# Allegro board TDI_KU5P_QSFP28_CXP_V001-20240805_1841.brd (continued)
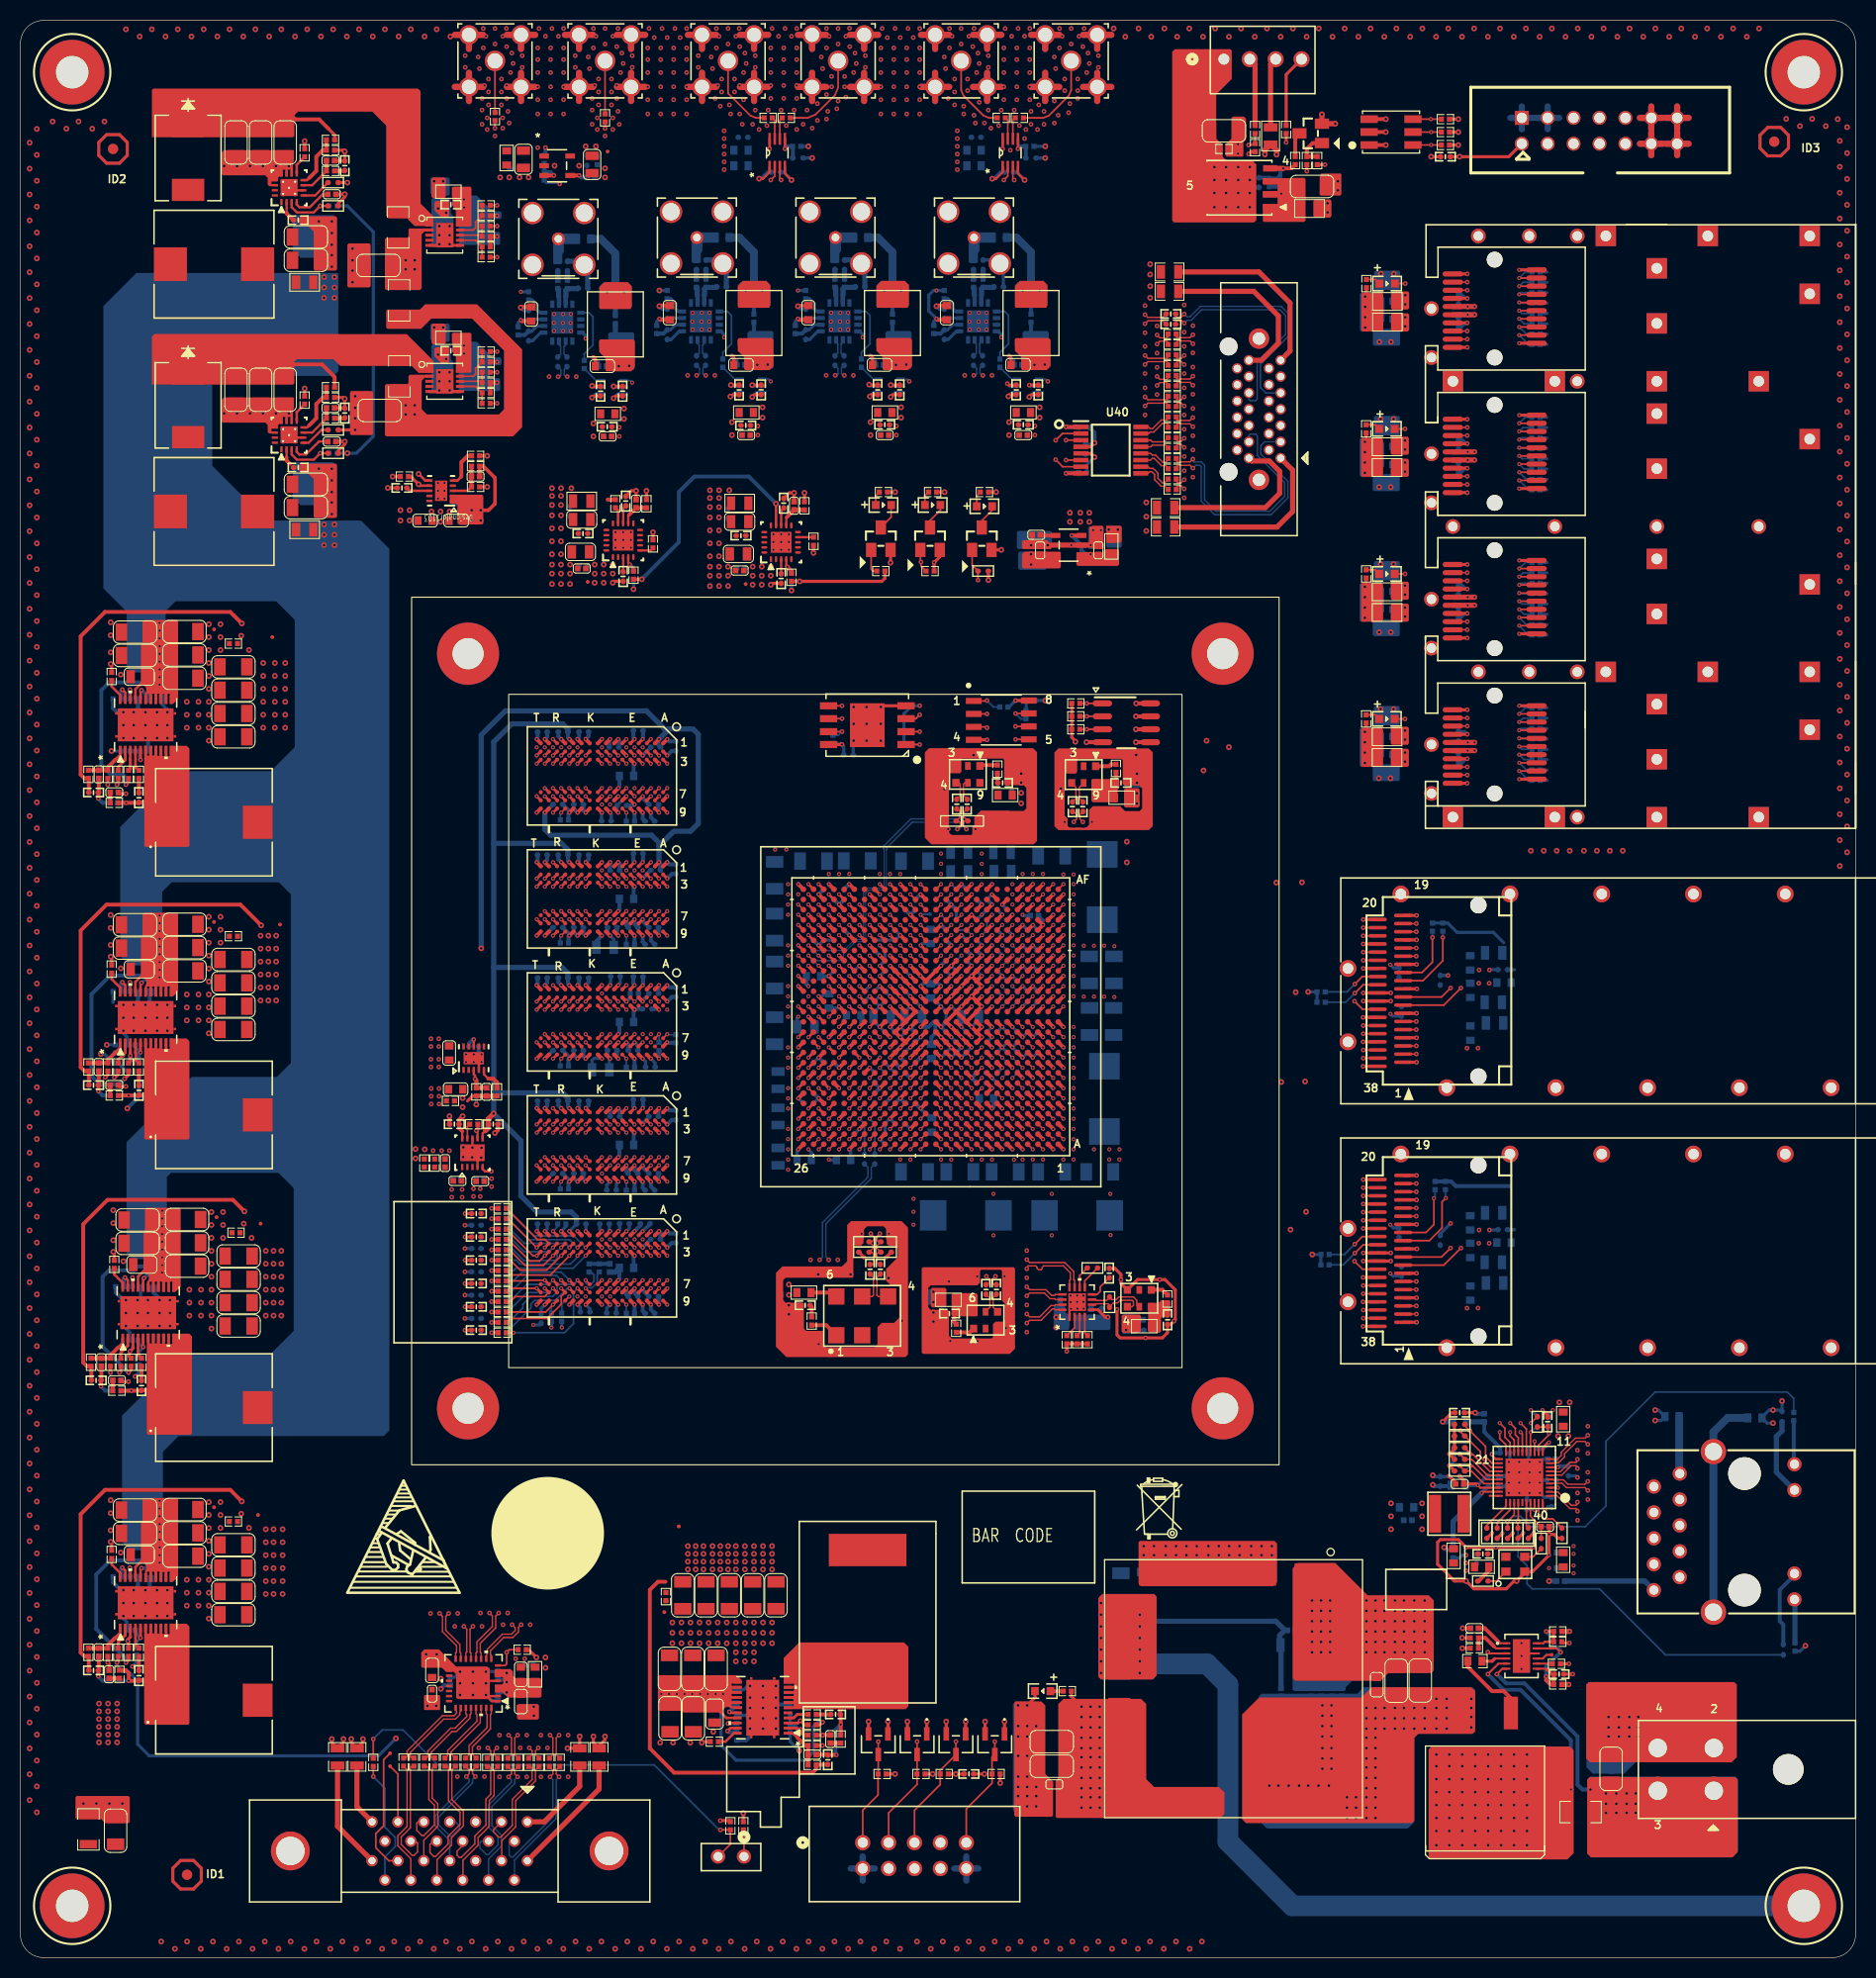
[diagram p0: board, top side]
## Placement (name value [footprint] x y rotation side) (continued)
R303  78.7K  [R0402]  27.88 177.01 270 top
R304  0R  [R0402]  45.68 166.78 0 top
R305  0R  [R0402_BGA]  30.67 174.09 0 top
R306  10K  [R0402]  30.42 177.27 180 top
R307  2.55K  [R0402]  30.42 175.23 180 top
R308  5mR  [R1206]  37.15 162.53 90 top
R309  5mR  [R1206]  37.18 155.09 90 top
R310  187K  [R0402]  30.42 154.03 0 top
R311  4K7  [R0402]  45.68 153.46 180 top
R312  4K7  [R0402]  45.68 154.47 180 top
R313  4K7  [R0402]  45.68 156.5 180 top
R314  0R  [R0402]  45.68 157.52 0 top
R315  0R  [R0402]  30.67 147.55 0 bottom
R316  0R  [R0402]  45.68 155.49 0 top
R317  0R  [R0402]  45.68 152.44 0 top
R318  1K  [R0402_BGA]  30.67 147.55 180 top
R319  78.7K  [R0402]  27.88 152.76 270 top
R320  0R  [R0402_BGA]  30.67 149.83 0 top
R321  10K  [R0402]  30.42 153.01 180 top
R322  2.55K  [R0402]  30.42 150.98 180 top
R323  4K7  [R0402]  91.79 61.72 270 top
R324  4K7  [R0402]  95.82 116.56 90 top
R325  4K7  [R0402]  107.46 116.64 90 top
R326  4K7  [R0402]  112.51 64.59 90 top
R327  1K  [R0402]  102.63 60.6 90 top
R328  1K  [R0402]  103.65 60.6 90 top
R329  1K  [R0402]  104.66 60.6 90 top
R330  100R  [R0402_BGA]  106.82 64.29 90 top
R331  100R  [R0402_BGA]  105.15 67.64 0 top
R332  4K7  [R0402]  77.61 62.43 270 top
R333  4K7  [R0402_BGA]  104.33 150.09 0 bottom
R334  0R_DNP  [R0805]  112.33 140.31 0 top
R335  0R  [R0402]  112.97 150.09 180 top
R336  0R  [R0402]  112.97 149.07 180 top
R337  0R  [R0805]  112.33 142.21 0 top
R338  0R  [R0402]  112.97 151.1 180 top
R339  1K  [R0402]  104.21 145.64 0 bottom
R340  0R  [R0402]  112.97 153.14 0 top
R341  0R  [R0402]  112.97 152.12 0 top
R342  0R  [R0402]  112.97 148.06 180 top
R343  0R  [R0402]  112.97 155.17 0 top
R344  0R  [R0402]  112.97 154.15 0 top
R345  0R  [R0402]  112.97 146.02 180 top
R346  0R  [R0402]  112.97 147.04 180 top
R347  0R  [R0402]  112.97 157.2 0 top
R348  0R  [R0402]  112.97 156.18 0 top
R349  0R  [R0402]  112.97 145.01 180 top
R350  0R  [R0402]  112.97 143.99 180 top
R351  0R  [R0402]  112.97 159.23 0 top
R352  0R  [R0402]  112.97 158.22 0 top
R353  0R  [R0805]  112.72 165.33 0 top
R354  0R_DNP  [R0805]  112.72 163.42 0 top
R355  0R  [R0402]  96.21 180.44 180 top
R356  4K7  [R0402_BGA]  99.13 176.5 180 bottom
R357  0R  [R0402]  57.34 180.44 90 top
R358  1K  [R0402]  99 177.65 0 bottom
R359  0R  [R0402]  97.98 180.44 0 top
R360  0R  [R0402]  46.55 180.57 90 top
R361  0R  [R0402]  73.35 180.44 180 top
R362  4K7  [R0402_BGA]  76.27 176.5 180 bottom
R363  1K  [R0402]  76.14 177.65 0 bottom
R364  0R  [R0402]  75.12 180.44 0 top
R365  0R_DNP  [R0805]  54.85 19.69 270 top
R366  0R_DNP  [R0805]  56.76 19.69 270 top
R367  4K7  [R0402]  49.22 30.2 180 top
R368  0R  [R0402]  52.9 19.15 270 top
R369  0R  [R0402]  51.88 19.15 270 top
R370  0R  [R0402]  50.87 19.15 270 top
R371  0R  [R0402]  44.69 19.18 90 top
R372  0R  [R0402]  49.85 19.15 270 top
R373  0R  [R0402]  43.68 19.18 90 top
R374  0R  [R0402]  48.83 19.15 270 top
R375  0R  [R0402]  42.66 19.18 90 top
R376  0R  [R0402]  47.82 19.15 270 top
R377  0R  [R0402]  41.65 19.18 90 top
R378  0R  [R0402]  40.63 19.18 90 top
R379  0R  [R0402]  39.61 19.18 90 top
R380  0R  [R0402]  46.8 19.15 270 top
R381  0R  [R0402]  38.6 19.18 90 top
R382  0R  [R0402]  45.79 19.15 270 top
R383  0R  [R0402]  37.58 19.18 90 top
R384  0R_DNP  [R0402]  34.61 19.15 270 top
R385  0R_DNP  [R0805]  33.01 19.69 270 top
R386  0R_DNP  [R0805]  31.1 19.69 270 top
R387  5mR  [R1206]  6.67 12.57 270 top
R388  470K  [R0402]  122.49 174.09 90 bottom
R389  100K  [R0402]  118.05 177.39 0 top
R390  10K  [R0402]  125.03 176.25 90 top
R391  4K7  [R0402]  121.1 177.52 90 top
R392  0R  [R0402]  127.19 176.25 270 top
R393  1K  [R0402]  126.18 176.25 90 top
R394  0R  [R0402]  121.1 179.3 90 top
R395  0R_DNP  [R0805]  124.45 30.66 0 bottom
R778  0R  [R0402]  124.15 179.3 90 top
R779  4K7  [R0402]  139.77 177.77 180 top
R780  4K7  [R0402]  139.77 179.04 180 top
R781  4K7  [R0402]  139.77 180.31 180 top
TP1  0m381  [TESTPOINT]  90.87 101.7 0 bottom
TP2  0m381  [TESTPOINT]  89.22 102.34 0 bottom
TP5  0m381  [TESTPOINT]  84.29 71 0 bottom
TP6  0m381  [TESTPOINT]  83.4 71 0 bottom
TP7  0m381  [TESTPOINT]  83.8 81.78 0 bottom
TP8  0m381  [TESTPOINT]  82.8 81.78 0 bottom
TP9  0m381  [TESTPOINT]  78.8 97.78 90 bottom
TP10  0m381  [TESTPOINT]  78.8 98.78 90 bottom
TP11  0m381  [TESTPOINT]  61.04 102.64 270 bottom
TP12  0m381  [TESTPOINT]  62.64 102.64 270 bottom
TP13  0m381  [TESTPOINT]  63.44 102.64 270 bottom
TP14  0m381  [TESTPOINT]  61.04 114.7 270 bottom
TP15  0m381  [TESTPOINT]  62.64 114.7 270 bottom
TP16  0m381  [TESTPOINT]  63.44 114.7 270 bottom
TP17  0m381  [TESTPOINT]  57.04 90.57 270 bottom
TP18  0m381  [TESTPOINT]  61.04 78.51 270 bottom
TP19  0m381  [TESTPOINT]  58.64 92.97 270 bottom
TP20  0m381  [TESTPOINT]  59.44 92.97 270 bottom
TP21  0m381  [TESTPOINT]  62.64 78.51 270 bottom
TP22  0m381  [TESTPOINT]  63.44 78.51 270 bottom
TP23  0m381  [TESTPOINT]  61.04 66.44 270 bottom
TP24  0m381  [TESTPOINT]  62.64 66.44 270 bottom
TP25  0m381  [TESTPOINT]  63.44 66.44 270 bottom
TP26  0m381  [TESTPOINT]  64.58 42.29 90 top
TP27  0m381  [TESTPOINT]  63.16 33.88 90 top
TP28  0m381  [TESTPOINT]  24.7 129.51 0 top
TP29  0m381  [TESTPOINT]  18.99 130.28 0 top
TP30  0m381  [TESTPOINT]  55.64 134.92 90 top
TP31  0m381  [TESTPOINT]  71.14 134.72 90 top
TP32  0m381  [TESTPOINT]  25.47 101.32 0 top
TP33  0m381  [TESTPOINT]  18.99 101.57 0 top
TP34  0m381  [TESTPOINT]  23.31 43.41 0 top
TP35  0m381  [TESTPOINT]  18.99 44.17 0 top
TP36  0m381  [TESTPOINT]  23.56 71.98 0 top
TP37  0m381  [TESTPOINT]  19.24 72.62 0 top
TP38  0m381  [TESTPOINT]  44.77 142.98 180 top
TP39  0m381  [TESTPOINT]  43.37 83.41 90 top
TP40  0m381  [TESTPOINT]  100.02 136.75 180 top
TP41  0m381  [TESTPOINT]  57.6 177.14 0 top
TP42  0m381  [TESTPOINT]  134.43 16.48 270 top
TP43  0m381  [TESTPOINT]  102.43 15.47 270 top
TP44  0m381  [TESTPOINT]  133.42 29.06 180 top
TP45  0m381  [TESTPOINT]  150.18 29.69 270 top
TP46  0m381  [TESTPOINT]  22.55 180.95 90 top
TP47  0m381  [TESTPOINT]  22.55 156.82 90 top
TP48  0m381  [TESTPOINT]  36.26 20.04 180 top
TP49  0m381  [TESTPOINT]  36.26 18.77 180 top
TP50  0m381  [TESTPOINT]  116.53 177.14 270 top
U1  XCKU5P-2FFVB676I  [FFVB676]  89.3 92.28 180 top
U2  MT25QU512ABB1EW9-0SIT  [MT25QU512ABB1EW9]  83.06 120.88 180 top
U3  25AA512T-I/SN  [25AA512T]  96.21 121.39 270 top
U4  -  [TMP75BID]  108.47 121.11 0 top
U5  MT40A1G16TB-062E_IT_F  [FBGA_DDR4_96P]  57.04 103.84 90 top
U6  MT40A1G16TB-062E_IT_F  [FBGA_DDR4_96P]  57.04 115.9 90 top
U7  MT40A1G16TB-062E_IT_F  [FBGA_DDR4_96P]  57.04 79.71 90 top
U8  MT40A1G16TB-062E_IT_F  [FBGA_DDR4_96P]  57.04 91.77 90 top
U9  MT40A1G16TB-062E_IT_F  [FBGA_DDR4_96P]  57.04 67.64 90 top
U10  -  [TPS51200DRC]  44.34 78.94 90 top
U11  -  [SN74AXC1T45DCKR]  58.06 154.02 90 bottom
U12  -  [SN74AXC1T45DCKR]  71.65 154.14 90 bottom
U13  EQCO125X40C1-I/8EX  [QFN_4X4MM_EQCO125]  66.74 160.48 270 bottom
U14  EQCO125X40C1-I/8EX  [QFN_4X4MM_EQCO125]  53.15 160.35 270 bottom
U15  -  [SN74AXC1T45DCKR]  85.24 154.14 90 bottom
U16  -  [SN74AXC1T45DCKR]  98.83 154.14 90 bottom
U17  EQCO125X40C1-I/8EX  [QFN_4X4MM_EQCO125]  80.33 160.48 270 bottom
U18  EQCO125X40C1-I/8EX  [QFN_4X4MM_EQCO125]  93.92 160.48 270 bottom
U19  -  [RTL8211FI-CG]  147.51 47.09 180 top
U20  25MHz  [ECS-2520MV]  146.62 38.58 180 top
U21  TPS53355DQPR  [TPS53353DQP]  72.81 24.51 180 top
U22  TPS53318DQPR  [TPS53353DQP]  12.28 120.91 90 top
U23  -  [TPS7A8500ARGR]  59.12 139.01 90 top
U24  -  [TPS7A8500ARGR]  74.62 138.81 90 top
U25  TPS53318DQPR  [TPS53353DQP]  12.28 92.2 90 top
U26  TPS53318DQPR  [TPS53353DQP]  12.28 34.8 90 top
U27  TPS53318DQPR  [TPS53353DQP]  12.54 63.25 90 top
U28  -  [TPS7A9201DSKR]  44.47 88.21 90 top
U29  -  [TPS7A9201DSKR]  41.26 143.87 180 top
U30  SPX3819M5-L-1-8/TR  [SPX3819M5-L-1-8]  102.81 138.53 180 top
U31  SPX3819M5-L-5-0/TR_DNP  [SPX3819M5-L-1-8]  52.64 175.74 0 top
U33  -  [LT4356HDE-1]  147.23 29.58 0 top
U34  TPS55340RTET  [RTE0016C]  26.36 173.58 90 top
U35  PAC1720-1-AIA  [10VDFN_PAC1720]  41.62 168.94 0 top
U36  TPS55340RTET  [RTE0016C]  26.36 149.33 90 top
U37  PAC1720-1-AIA  [10VDFN_PAC1720]  41.62 154.6 0 top
U38  -  [LMK1D1204RGT]  103.65 64.29 90 top
U39  SIT5021AI-2DE-33E-100.000000X  [SIT5021]  82.57 62.94 0 top
U40  DSLVDS1047PWR  [SOP65P640X120-16N]  106.95 147.85 0 top
U41  SN74LVC2T45DCUR  [SN74LVC2T45_VSSOP8]  97.09 177.01 90 top
U42  SN74LVC2T45DCUR  [SN74LVC2T45_VSSOP8]  74.23 177.01 90 top
U43  -  [DS90LV804TSQ]  44.44 26.9 180 top
U111  -  [QPI-5LZ]  118.99 26.38 180 top
U134  -  [ATS-61800K-C2-R0]  80.91 90.88 0 top
X1  200MHZ  [SMD-3225]  92.93 116.05 180 top
X2  125MHz  [SMD-3225]  104.28 116.03 180 top
X3  161.132813MHz  [SMD-3225]  94.67 62.52 0 top
X4  156.25MHz  [SMD-3225]  109.74 64.67 180 top

## Library data of the parts
C1 C2 C7 C8 C15 C19 C20 C25-C28 C39 C40 C46-C55 C134 C147 C160 C161 C174 C176-C178 C206 C208 C210-C214 C220-C222 C225 C227 C229 C231 C233 C235 C237 C239 C240 C242 C244 C246 C249 C251 C253 C255 C257 C259 C261 C263 C270-C275 C278-C287 C294-C299 C302-C312 C314-C317 C322 C325 C326 C328-C330 C332 C334 C336 C337 C351 C353 C354 C367 C369 C373 C375 C376 C378 C382 C384 C386 C387 C401 C402 C416 C417 C440 C441 C443 C445 C446 C452 C454 C455 C458 C478 C482 C490 C492 C493 C496 C504 C506 C507 C522 C523 C527 C530-C533 C544 C545 = 0_1UF_0
C3 C6 C10 C11 C13 C14 C17 C18 C23 C24 C31-C33 C36-C38 C43-C45 C69-C76 C78-C85 C88-C96 C108-C122 C133 C137-C142 C149-C154 C159 C163-C168 C173 C175 C181-C186 C192-C197 C202-C205 C207 C219 C276 C277 C300 C301 C319 C479 C491 C505 C508 C509 C511 C512 C514 C515 C517 C518 C524 C525 = 4_7UF_0
C4 C5 C9 C12 C16 C21 C22 C29 C30 C34 C35 C41 C42 C67 C68 C77 C86 C87 C107 C135 C136 C143-C146 C148 C155-C158 C162 C169-C172 C179 C180 C187-C191 C198-C201 C215-C218 C224 C226 C228 C230 C232 C234 C236 C238 C241 C243 C245 C247 C248 C250 C252 C254 C256 C258 C260 C262 C313 C318 C321 C323 C324 C327 C331 C333 C368 C370-C372 C374 C377 C379-C381 C383 C430 C431 C433-C436 C438 C439 C442 C444 C447-C449 C451 C453 C461 C462 C466 C468 C469 C472 C473 C475 C476 C480 C481 C483-C489 C494 C495 C497-C503 C510 C513 C516 C519-C521 C526 C542 = CAP_NPOL
C56-C59 = CAP TAN
C60-C66 C102-C106 C128-C132 C340-C344 C357-C360 C390-C393 C405-C408 C420-C423 = 100UF_0
C97-C101 C123-C127 C464 C467 C470 C477 C534 C538-C541 = 0_01UF_0
C209 C335 C345 C352 C361 C385 C394 C400 C409 C415 C424 C465 = 1000PF_0
C223 C264-C269 C288-C293 C320 C339 C356 C389 C404 C419 C432 C437 C450 C459 C460 C463 C471 C474 C535-C537 = 1UF_0
C338 C355 C388 C403 C418 C456 C457 = 4_7UF_1
C346-C350 C362-C366 C395-C399 C410-C414 C425-C429 C543 C546 = 22UF_0
C528 C529 = 0_1UF_0: signal model: 0_1UF_0_C0402_BGA_0.1UF_0.1UF
D1-D4 = BAT54CLT1G_2
D5 D6 = DFLS240_7
DS1 DS2 DS4-DS9 = LED-GRN-SMT_LED_2
J1 = 10PIN_CONNECTOR_1
J2 = CON_2
J3 = 10PIN_CONNECTOR_3
J4 J6 = QSFP_523-FS1-Z38-20Z6-10
J5 J7 = U95-T1Y1-A100
J8-J11 = SMA_0
J12 = KRJ-320DNL_1
J13 = POWER_HDR_5
J14 = 12226-5150-00FR_framegrabbercon
J15-J20 = SMA_3
J21 = 12226-5150-00FR_camera_conn
J22 = THS103J
J63 = HDR_0
L1-L19 L24 L25 L30 L31 L33-L38 L41 L42 L46-L52 L54-L56 L58-L70 = BLM15HD102SN1_0
L20-L23 L26-L29 L40 L43-L45 L53 L57 = INDUCTOR
L32 = INDUCTOR3_1
L39 = 2773021447_1
MH1-MH4 = HOLE_MH_125_3
P1 = TE_2007132-1
Q1 Q2 Q4 Q7 = NDS331N_SOT23_1
Q5 = 2SK1824_1
Q6 = SI7461DP_0
R1 = RES: signal model: RES_R0402_BGA_0R_0R
R2-R27 R29-R32 R34-R334 R337 R339 R353-R367 R371 R373 R375 R377-R379 R381 R383-R395 R778-R781 = RES
R335 R336 R338 R340-R352 R368-R370 R372 R374 R376 R380 R382 = RES: signal model: RES_R0402_0R_0R
TP1 TP2 TP5-TP50 = TestPoint
U1 = XCKU5P-2FFVB676I
U2 = W25Q16DVUUIG_3
U3 = AT25M01-SHM-B_1
U4 = TMP75BIDR_1
U5-U9 = MT40A1G16TB-062E_IT_F
U10 = TPS51200
U11 U12 U15 U16 = SN74AXC1T45DCKR
U13 U14 U17 U18 = EQCO125X40C1-I/8EX
U19 = RTL8211F_2
U20 = NZ2520SB_2
U21 = TPS56221DQPT_6
U22 U25-U27 = TPS56221DQPT_2
U23 U24 = TPS7A8500ARGRR_3
U28 U29 = TPS7A9201
U30 U31 = R1112NXX1B_0
U33 = LT4356-1_1
U34 U36 = TPS55340RTET_2
U35 U37 = PAC1720-1-AIA
U38 = LMK1D1204RGTR_0
U39 = SIT5021AI-2DE-33E-100_0.000000X
U40 = DSLVDS1047PWR_1
U41 U42 = SN74LVC2T45DCUR
U43 = DS90LV804TSQNOPB_0
U111 = QPI-11LZ_1
U134 = HEAT_SINK_5
X1-X4 = SiT9102AI-23FN33E200.00000Y

## Footprints (pads in the part's own frame, mm; a bottom-side part is the same pattern mirrored in y, then rotated)
10VDFN_PAC1720
  rect 0.8x0.3 smd: 1(-1.501,1.001) 2(-1.501,0.5) 3(-1.501,0) 4(-1.501,-0.5) 5(-1.501,-1.001) 6(1.501,-1.001) 7(1.501,-0.5) 8(1.501,0) 9(1.501,0.5) 10(1.501,1.001)
  rect 1.699x2.4 smd: 11(0,0)
25AA512T
  rect 0.61x1.549 smd: 1(-1.862,-2.7) 2(-0.592,-2.7) 3(0.678,-2.7) 4(1.948,-2.7) 5(1.905,2.7) 6(0.635,2.7) 7(-0.635,2.7) 8(-1.905,2.7)
1812PS
  rect 1.14x3.051 smd: 1(-2.07,0) 2(2.07,0)
10226-6212PC
  round 3.81 hole 2.794: (-15.63,0) (15.63,0)
  round 1.118 hole 0.711: 1(-7.62,-2.86) 2(-6.35,-0.96) 3(-5.08,-2.86) 4(-3.81,-0.96) 5(-2.54,-2.86) 6(-1.27,-0.96) 7(0,-2.86) 8(1.27,-0.96) 9(2.54,-2.86) 10(3.81,-0.96) 11(5.08,-2.86) 12(6.35,-0.96) 13(7.62,-2.86) 14(-7.62,0.96) 15(-6.35,2.86) 16(-5.08,0.96) 17(-3.81,2.86) 18(-2.54,0.96) 19(-1.27,2.86) 20(0,0.96) 21(1.27,2.86) 22(2.54,0.96) 23(3.81,2.86) 24(5.08,0.96) 25(6.35,2.86) 26(7.62,0.96)
12226-1150-00FR
  round 2.007 hole 1.219: (-6.924,0) (6.924,0)
  round 1.753 hole 1.753 unplated: (-6.149,-2.974) (6.149,-2.974)
  round 1.016 hole 0.711: 1(4.801,2.131) 2(4,0.98) 3(3.2,2.131) 4(2.4,0.98) 5(1.6,2.131) 6(0.8,0.98) 7(0,2.131) 8(-0.8,0.98) 9(-1.6,2.131) 10(-2.4,0.98) 11(-3.2,2.131) 12(-4,0.98) 13(-4.801,2.131) 14(4.801,-0.98) 15(4,-2.131) 16(3.2,-0.98) 17(2.4,-2.131) 18(1.6,-0.98) 19(0.8,-2.131) 20(0,-0.98) 21(-0.8,-2.131) 22(-1.6,-0.98) 23(-2.4,-2.131) 24(-3.2,-0.98) 25(-4,-2.131) 26(-4.801,-0.98)
0022112042
  round 1.575 hole 1.067: 1(0,0) 2(2.54,0) 3(5.08,0) 4(7.62,0)
0039301040
  round 2.794 hole 1.803: 1(-2.1,3.5) 2(2.1,3.5) 3(-2.1,9) 4(2.1,9)
  round 2.997 hole 2.997: M1(0,-3.8)
74437368100
  rect 3.251x3.302 smd: 1(-4.28,0) 2(4.28,0)
ATS-61800K-C2-R0
  round 6.096 hole 3.048: 1(-37.008,37.008) 2(37.008,37.008) 3(37.008,-37.008) 4(-37.008,-37.008)
C0402
  rect 0.559x0.559 smd: 1(-0.401,0) 2(0.401,0)
C0402_BGA
  custom 0.559x0.508 smd: 1(-0.47,0) 2(0.47,0)
C0603
  rect 0.711x0.838 smd: 1(-0.701,0) 2(0.701,0)
C0805
  rect 0.838x1.295 smd: 1(-0.851,0) 2(0.851,0)
C1206
  rect 1.143x1.702 smd: 1(-1.326,0) 2(1.326,0)
CON_2
  round 1.397 hole 0.889: 1(-1.27,0) 2(1.27,0)
CON_AMP_U95_T_1Y1_100A
  round 1.651 hole 1.041: 1(1.1,-3.099) 2(-3.401,-12.789) 3(-10.599,-12.789) 4(-17.899,-7.6) 5(-17.899,3.099) 6(-17.899,12.101) 7(-17.899,21.1) 8(-17.899,30.099) 9(1.1,34.6) 10(1.1,25.601) 11(1.1,16.599) 12(1.1,7.6)
CT7343
  rect 2.601x3 smd: 1(-3.2,0) 2(3.2,0)
DS90LV804TSQ
  rect 0.61x0.254 smd: 1(-2.4,1.75) 2(-2.4,1.25) 3(-2.4,0.749) 4(-2.4,0.249) 5(-2.4,-0.249) 6(-2.4,-0.749) 7(-2.4,-1.25) 8(-2.4,-1.75) 17(2.4,-1.75) 18(2.4,-1.25) 19(2.4,-0.749) 20(2.4,-0.249) 21(2.4,0.249) 22(2.4,0.749) 23(2.4,1.25) 24(2.4,1.75)
  rect 0.254x0.61 smd: 9(-1.75,-2.4) 10(-1.25,-2.4) 11(-0.749,-2.4) 12(-0.249,-2.4) 13(0.249,-2.4) 14(0.749,-2.4) 15(1.25,-2.4) 16(1.75,-2.4) 25(1.75,2.4) 26(1.25,2.4) 27(0.749,2.4) 28(0.249,2.4) 29(-0.249,2.4) 30(-0.749,2.4) 31(-1.25,2.4) 32(-1.75,2.4)
  rect 3.099x3.099 smd: 33(0,0)
ECS-2520MV
  rect 0.914x0.813 smd: 1(0.925,0.724) 2(-0.925,0.724) 3(-0.925,-0.724) 4(0.925,-0.724)
FBGA_DDR4_96P
  round 0.406 smd: A1(3.2,-5.999) A2(2.4,-5.999) A3(1.6,-5.999) A7(-1.6,-5.999) A8(-2.4,-5.999) A9(-3.2,-5.999) B1(3.2,-5.199) B2(2.4,-5.199) B3(1.6,-5.199) B7(-1.6,-5.199) B8(-2.4,-5.199) B9(-3.2,-5.199) C1(3.2,-4.399) C2(2.4,-4.399) C3(1.6,-4.399) C7(-1.6,-4.399) C8(-2.4,-4.399) C9(-3.2,-4.399) D1(3.2,-3.599) D2(2.4,-3.599) D3(1.6,-3.599) D7(-1.6,-3.599) D8(-2.4,-3.599) D9(-3.2,-3.599) E1(3.2,-2.799) E2(2.4,-2.799) E3(1.6,-2.799) E7(-1.6,-2.799) E8(-2.4,-2.799) E9(-3.2,-2.799) F1(3.2,-1.999) F2(2.4,-1.999) F3(1.6,-1.999) F7(-1.6,-1.999) F8(-2.4,-1.999) F9(-3.2,-1.999) G1(3.2,-1.199) G2(2.4,-1.199) G3(1.6,-1.199) G7(-1.6,-1.199) G8(-2.4,-1.199) G9(-3.2,-1.199) H1(3.2,-0.401) H2(2.4,-0.401) H3(1.6,-0.401) H7(-1.6,-0.401) H8(-2.4,-0.401) H9(-3.2,-0.401) J1(3.2,0.401) J2(2.4,0.401) J3(1.6,0.401) J7(-1.6,0.401) J8(-2.4,0.401) J9(-3.2,0.401) K1(3.2,1.199) K2(2.4,1.199) K3(1.6,1.199) K7(-1.6,1.199) K8(-2.4,1.199) K9(-3.2,1.199) L1(3.2,1.999) L2(2.4,1.999) L3(1.6,1.999) L7(-1.6,1.999) L8(-2.4,1.999) L9(-3.2,1.999) M1(3.2,2.799) M2(2.4,2.799) M3(1.6,2.799) M7(-1.6,2.799) M8(-2.4,2.799) M9(-3.2,2.799) N1(3.2,3.599) N2(2.4,3.599) N3(1.6,3.599) N7(-1.6,3.599) N8(-2.4,3.599) N9(-3.2,3.599) P1(3.2,4.399) P2(2.4,4.399) P3(1.6,4.399) P7(-1.6,4.399) P8(-2.4,4.399) P9(-3.2,4.399) R1(3.2,5.199) R2(2.4,5.199) R3(1.6,5.199) R7(-1.6,5.199) R8(-2.4,5.199) R9(-3.2,5.199) T1(3.2,5.999) T2(2.4,5.999) T3(1.6,5.999) T7(-1.6,5.999) T8(-2.4,5.999) T9(-3.2,5.999)
FFVB676
  round 0.559 smd: A1(-12.499,12.499) A2(-11.501,12.499) A3(-10.5,12.499) A4(-9.5,12.499) A5(-8.499,12.499) A6(-7.501,12.499) A7(-6.5,12.499) A8(-5.499,12.499) A9(-4.501,12.499) A10(-3.5,12.499) A11(-2.499,12.499) A12(-1.501,12.499) A13(-0.5,12.499) A14(0.5,12.499) A15(1.501,12.499) A16(2.499,12.499) A17(3.5,12.499) A18(4.501,12.499) A19(5.499,12.499) A20(6.5,12.499) A21(7.501,12.499) A22(8.499,12.499) A23(9.5,12.499) A24(10.5,12.499) A25(11.501,12.499) A26(12.499,12.499) AA1(-12.499,-7.501) AA2(-11.501,-7.501) AA3(-10.5,-7.501) AA4(-9.5,-7.501) AA5(-8.499,-7.501) AA6(-7.501,-7.501) AA7(-6.5,-7.501) AA8(-5.499,-7.501) AA9(-4.501,-7.501) AA10(-3.5,-7.501) AA11(-2.499,-7.501) AA12(-1.501,-7.501) AA13(-0.5,-7.501) AA14(0.5,-7.501) AA15(1.501,-7.501) AA16(2.499,-7.501) AA17(3.5,-7.501) AA18(4.501,-7.501) AA19(5.499,-7.501) AA20(6.5,-7.501) AA21(7.501,-7.501) AA22(8.499,-7.501) AA23(9.5,-7.501) AA24(10.5,-7.501) AA25(11.501,-7.501) AA26(12.499,-7.501) AB1(-12.499,-8.499) AB2(-11.501,-8.499) AB3(-10.5,-8.499) AB4(-9.5,-8.499) AB5(-8.499,-8.499) AB6(-7.501,-8.499) AB7(-6.5,-8.499) AB8(-5.499,-8.499) AB9(-4.501,-8.499) AB10(-3.5,-8.499) AB11(-2.499,-8.499) AB12(-1.501,-8.499) AB13(-0.5,-8.499) AB14(0.5,-8.499) AB15(1.501,-8.499) AB16(2.499,-8.499) AB17(3.5,-8.499) AB18(4.501,-8.499) AB19(5.499,-8.499) AB20(6.5,-8.499) AB21(7.501,-8.499) AB22(8.499,-8.499) AB23(9.5,-8.499) AB24(10.5,-8.499) AB25(11.501,-8.499) AB26(12.499,-8.499) AC1(-12.499,-9.5) AC2(-11.501,-9.5) AC3(-10.5,-9.5) AC4(-9.5,-9.5) AC5(-8.499,-9.5) AC6(-7.501,-9.5) AC7(-6.5,-9.5) AC8(-5.499,-9.5) AC9(-4.501,-9.5) AC10(-3.5,-9.5) AC11(-2.499,-9.5) AC12(-1.501,-9.5) AC13(-0.5,-9.5) AC14(0.5,-9.5) AC15(1.501,-9.5) AC16(2.499,-9.5) AC17(3.5,-9.5) AC18(4.501,-9.5) AC19(5.499,-9.5) AC20(6.5,-9.5) AC21(7.501,-9.5) AC22(8.499,-9.5) AC23(9.5,-9.5) AC24(10.5,-9.5) AC25(11.501,-9.5) AC26(12.499,-9.5) AD1(-12.499,-10.5) AD2(-11.501,-10.5) AD3(-10.5,-10.5) AD4(-9.5,-10.5) AD5(-8.499,-10.5) AD6(-7.501,-10.5) AD7(-6.5,-10.5) AD8(-5.499,-10.5) AD9(-4.501,-10.5) AD10(-3.5,-10.5) AD11(-2.499,-10.5) AD12(-1.501,-10.5) AD13(-0.5,-10.5) AD14(0.5,-10.5) AD15(1.501,-10.5) AD16(2.499,-10.5) AD17(3.5,-10.5) AD18(4.501,-10.5) AD19(5.499,-10.5) AD20(6.5,-10.5) AD21(7.501,-10.5) AD22(8.499,-10.5) AD23(9.5,-10.5) AD24(10.5,-10.5) AD25(11.501,-10.5) AD26(12.499,-10.5) AE1(-12.499,-11.501) AE2(-11.501,-11.501) AE3(-10.5,-11.501) AE4(-9.5,-11.501) AE5(-8.499,-11.501) AE6(-7.501,-11.501) AE7(-6.5,-11.501) AE8(-5.499,-11.501) AE9(-4.501,-11.501) AE10(-3.5,-11.501) AE11(-2.499,-11.501) AE12(-1.501,-11.501) AE13(-0.5,-11.501) AE14(0.5,-11.501) AE15(1.501,-11.501) AE16(2.499,-11.501) AE17(3.5,-11.501) AE18(4.501,-11.501) AE19(5.499,-11.501) AE20(6.5,-11.501) AE21(7.501,-11.501) AE22(8.499,-11.501) AE23(9.5,-11.501) AE24(10.5,-11.501) AE25(11.501,-11.501) AE26(12.499,-11.501) AF1(-12.499,-12.499) AF2(-11.501,-12.499) AF3(-10.5,-12.499) AF4(-9.5,-12.499) AF5(-8.499,-12.499) AF6(-7.501,-12.499) AF7(-6.5,-12.499) AF8(-5.499,-12.499) AF9(-4.501,-12.499) AF10(-3.5,-12.499) AF11(-2.499,-12.499) AF12(-1.501,-12.499) AF13(-0.5,-12.499) AF14(0.5,-12.499) AF15(1.501,-12.499) AF16(2.499,-12.499) AF17(3.5,-12.499) AF18(4.501,-12.499) AF19(5.499,-12.499) AF20(6.5,-12.499) AF21(7.501,-12.499) AF22(8.499,-12.499) AF23(9.5,-12.499) AF24(10.5,-12.499) AF25(11.501,-12.499) AF26(12.499,-12.499) B1(-12.499,11.501) B2(-11.501,11.501) B3(-10.5,11.501) B4(-9.5,11.501) B5(-8.499,11.501) B6(-7.501,11.501) B7(-6.5,11.501) B8(-5.499,11.501) B9(-4.501,11.501) B10(-3.5,11.501) B11(-2.499,11.501) B12(-1.501,11.501) B13(-0.5,11.501) B14(0.5,11.501) B15(1.501,11.501) B16(2.499,11.501) B17(3.5,11.501) B18(4.501,11.501) B19(5.499,11.501) B20(6.5,11.501) B21(7.501,11.501) B22(8.499,11.501) B23(9.5,11.501) B24(10.5,11.501) B25(11.501,11.501) B26(12.499,11.501) C1(-12.499,10.5) C2(-11.501,10.5) C3(-10.5,10.5) C4(-9.5,10.5) C5(-8.499,10.5) C6(-7.501,10.5) C7(-6.5,10.5) C8(-5.499,10.5) C9(-4.501,10.5) C10(-3.5,10.5) C11(-2.499,10.5) C12(-1.501,10.5) C13(-0.5,10.5) C14(0.5,10.5) C15(1.501,10.5) C16(2.499,10.5) C17(3.5,10.5) C18(4.501,10.5) C19(5.499,10.5) C20(6.5,10.5) C21(7.501,10.5) C22(8.499,10.5) C23(9.5,10.5) C24(10.5,10.5) C25(11.501,10.5) C26(12.499,10.5) D1(-12.499,9.5) D2(-11.501,9.5) D3(-10.5,9.5) D4(-9.5,9.5) D5(-8.499,9.5) D6(-7.501,9.5) D7(-6.5,9.5) D8(-5.499,9.5) D9(-4.501,9.5) D10(-3.5,9.5) D11(-2.499,9.5) D12(-1.501,9.5) D13(-0.5,9.5) D14(0.5,9.5) D15(1.501,9.5) D16(2.499,9.5) D17(3.5,9.5) D18(4.501,9.5) D19(5.499,9.5) D20(6.5,9.5) D21(7.501,9.5) D22(8.499,9.5) D23(9.5,9.5) D24(10.5,9.5) D25(11.501,9.5) D26(12.499,9.5) E1(-12.499,8.499) E2(-11.501,8.499) E3(-10.5,8.499) E4(-9.5,8.499) E5(-8.499,8.499) E6(-7.501,8.499) E7(-6.5,8.499) E8(-5.499,8.499) E9(-4.501,8.499) E10(-3.5,8.499) E11(-2.499,8.499) E12(-1.501,8.499) E13(-0.5,8.499) E14(0.5,8.499) E15(1.501,8.499) E16(2.499,8.499) E17(3.5,8.499) E18(4.501,8.499) E19(5.499,8.499) E20(6.5,8.499) E21(7.501,8.499) E22(8.499,8.499) E23(9.5,8.499) E24(10.5,8.499) E25(11.501,8.499) E26(12.499,8.499) F1(-12.499,7.501) F2(-11.501,7.501) F3(-10.5,7.501) F4(-9.5,7.501) F5(-8.499,7.501) F6(-7.501,7.501) F7(-6.5,7.501) F8(-5.499,7.501) F9(-4.501,7.501) F10(-3.5,7.501) F11(-2.499,7.501) F12(-1.501,7.501) F13(-0.5,7.501) F14(0.5,7.501) F15(1.501,7.501) F16(2.499,7.501) F17(3.5,7.501) F18(4.501,7.501) F19(5.499,7.501) F20(6.5,7.501) F21(7.501,7.501) F22(8.499,7.501) F23(9.5,7.501) F24(10.5,7.501) F25(11.501,7.501) F26(12.499,7.501) G1(-12.499,6.5) G2(-11.501,6.5) G3(-10.5,6.5) G4(-9.5,6.5) G5(-8.499,6.5) G6(-7.501,6.5) G7(-6.5,6.5) G8(-5.499,6.5) G9(-4.501,6.5) G10(-3.5,6.5) G11(-2.499,6.5) G12(-1.501,6.5) G13(-0.5,6.5) G14(0.5,6.5) G15(1.501,6.5) G16(2.499,6.5) G17(3.5,6.5) G18(4.501,6.5) G19(5.499,6.5) G20(6.5,6.5) G21(7.501,6.5) G22(8.499,6.5) G23(9.5,6.5) G24(10.5,6.5) G25(11.501,6.5) G26(12.499,6.5) H1(-12.499,5.499) H2(-11.501,5.499) H3(-10.5,5.499) H4(-9.5,5.499) H5(-8.499,5.499) H6(-7.501,5.499) H7(-6.5,5.499) H8(-5.499,5.499) H9(-4.501,5.499) H10(-3.5,5.499) H11(-2.499,5.499) H12(-1.501,5.499) H13(-0.5,5.499) H14(0.5,5.499) H15(1.501,5.499) H16(2.499,5.499) H17(3.5,5.499) H18(4.501,5.499) H19(5.499,5.499) H20(6.5,5.499) H21(7.501,5.499) H22(8.499,5.499) H23(9.5,5.499) H24(10.5,5.499) H25(11.501,5.499) H26(12.499,5.499) J1(-12.499,4.501) J2(-11.501,4.501) J3(-10.5,4.501) J4(-9.5,4.501) J5(-8.499,4.501) J6(-7.501,4.501) J7(-6.5,4.501) J8(-5.499,4.501) J9(-4.501,4.501) J10(-3.5,4.501) J11(-2.499,4.501) J12(-1.501,4.501) J13(-0.5,4.501) J14(0.5,4.501) J15(1.501,4.501) J16(2.499,4.501) J17(3.5,4.501) J18(4.501,4.501) J19(5.499,4.501) J20(6.5,4.501) J21(7.501,4.501) J22(8.499,4.501) J23(9.5,4.501) J24(10.5,4.501) J25(11.501,4.501) J26(12.499,4.501) K1(-12.499,3.5) K2(-11.501,3.5) K3(-10.5,3.5) K4(-9.5,3.5) K5(-8.499,3.5) K6(-7.501,3.5) K7(-6.5,3.5) K8(-5.499,3.5) K9(-4.501,3.5) K10(-3.5,3.5) K11(-2.499,3.5) K12(-1.501,3.5) K13(-0.5,3.5) K14(0.5,3.5) K15(1.501,3.5) K16(2.499,3.5) K17(3.5,3.5) K18(4.501,3.5) K19(5.499,3.5) K20(6.5,3.5) K21(7.501,3.5) K22(8.499,3.5) K23(9.5,3.5) K24(10.5,3.5) K25(11.501,3.5) K26(12.499,3.5) L1(-12.499,2.499) L2(-11.501,2.499) L3(-10.5,2.499) L4(-9.5,2.499) L5(-8.499,2.499) L6(-7.501,2.499) L7(-6.5,2.499) L8(-5.499,2.499) L9(-4.501,2.499) L10(-3.5,2.499) L11(-2.499,2.499) L12(-1.501,2.499) L13(-0.5,2.499) L14(0.5,2.499) L15(1.501,2.499) L16(2.499,2.499) L17(3.5,2.499) L18(4.501,2.499) L19(5.499,2.499) L20(6.5,2.499) L21(7.501,2.499) L22(8.499,2.499) L23(9.5,2.499) L24(10.5,2.499) L25(11.501,2.499) L26(12.499,2.499) M1(-12.499,1.501) M2(-11.501,1.501) M3(-10.5,1.501) M4(-9.5,1.501) M5(-8.499,1.501) M6(-7.501,1.501) M7(-6.5,1.501) M8(-5.499,1.501) M9(-4.501,1.501) M10(-3.5,1.501) M11(-2.499,1.501) M12(-1.501,1.501) M13(-0.5,1.501) M14(0.5,1.501) M15(1.501,1.501) M16(2.499,1.501) M17(3.5,1.501) M18(4.501,1.501) M19(5.499,1.501) M20(6.5,1.501) M21(7.501,1.501) M22(8.499,1.501) M23(9.5,1.501) M24(10.5,1.501) M25(11.501,1.501) M26(12.499,1.501) N1(-12.499,0.5) N2(-11.501,0.5) N3(-10.5,0.5) N4(-9.5,0.5) N5(-8.499,0.5) N6(-7.501,0.5) N7(-6.5,0.5) N8(-5.499,0.5) N9(-4.501,0.5) N10(-3.5,0.5) N11(-2.499,0.5) N12(-1.501,0.5) N13(-0.5,0.5) N14(0.5,0.5) N15(1.501,0.5) N16(2.499,0.5) N17(3.5,0.5) N18(4.501,0.5) N19(5.499,0.5) N20(6.5,0.5) N21(7.501,0.5) N22(8.499,0.5) N23(9.5,0.5) N24(10.5,0.5) N25(11.501,0.5) N26(12.499,0.5) P1(-12.499,-0.5) P2(-11.501,-0.5) P3(-10.5,-0.5) P4(-9.5,-0.5) P5(-8.499,-0.5) P6(-7.501,-0.5) P7(-6.5,-0.5) P8(-5.499,-0.5) P9(-4.501,-0.5) P10(-3.5,-0.5) P11(-2.499,-0.5) P12(-1.501,-0.5) P13(-0.5,-0.5) P14(0.5,-0.5) P15(1.501,-0.5) P16(2.499,-0.5) P17(3.5,-0.5) P18(4.501,-0.5) P19(5.499,-0.5) P20(6.5,-0.5) P21(7.501,-0.5) P22(8.499,-0.5) P23(9.5,-0.5) P24(10.5,-0.5) P25(11.501,-0.5) P26(12.499,-0.5) R1(-12.499,-1.501) R2(-11.501,-1.501) R3(-10.5,-1.501) R4(-9.5,-1.501) R5(-8.499,-1.501) R6(-7.501,-1.501) R7(-6.5,-1.501) R8(-5.499,-1.501) R9(-4.501,-1.501) R10(-3.5,-1.501) R11(-2.499,-1.501) R12(-1.501,-1.501) R13(-0.5,-1.501) R14(0.5,-1.501) R15(1.501,-1.501) R16(2.499,-1.501) R17(3.5,-1.501) R18(4.501,-1.501) R19(5.499,-1.501) R20(6.5,-1.501) R21(7.501,-1.501) R22(8.499,-1.501) R23(9.5,-1.501) R24(10.5,-1.501) R25(11.501,-1.501) R26(12.499,-1.501) T1(-12.499,-2.499) T2(-11.501,-2.499) T3(-10.5,-2.499) T4(-9.5,-2.499) T5(-8.499,-2.499) T6(-7.501,-2.499) T7(-6.5,-2.499) T8(-5.499,-2.499) T9(-4.501,-2.499) T10(-3.5,-2.499) T11(-2.499,-2.499) T12(-1.501,-2.499) T13(-0.5,-2.499) T14(0.5,-2.499) T15(1.501,-2.499) T16(2.499,-2.499) T17(3.5,-2.499) T18(4.501,-2.499) T19(5.499,-2.499) T20(6.5,-2.499) T21(7.501,-2.499) T22(8.499,-2.499) T23(9.5,-2.499) T24(10.5,-2.499) T25(11.501,-2.499) T26(12.499,-2.499) U1(-12.499,-3.5) U2(-11.501,-3.5) U3(-10.5,-3.5) U4(-9.5,-3.5) U5(-8.499,-3.5) U6(-7.501,-3.5) U7(-6.5,-3.5) U8(-5.499,-3.5) U9(-4.501,-3.5) U10(-3.5,-3.5) U11(-2.499,-3.5) U12(-1.501,-3.5) U13(-0.5,-3.5) U14(0.5,-3.5) U15(1.501,-3.5) U16(2.499,-3.5) U17(3.5,-3.5) U18(4.501,-3.5) U19(5.499,-3.5) U20(6.5,-3.5) U21(7.501,-3.5) U22(8.499,-3.5) U23(9.5,-3.5) U24(10.5,-3.5) U25(11.501,-3.5) U26(12.499,-3.5) V1(-12.499,-4.501) V2(-11.501,-4.501) V3(-10.5,-4.501) V4(-9.5,-4.501) V5(-8.499,-4.501) V6(-7.501,-4.501) V7(-6.5,-4.501) V8(-5.499,-4.501) V9(-4.501,-4.501) V10(-3.5,-4.501) V11(-2.499,-4.501) V12(-1.501,-4.501) V13(-0.5,-4.501) V14(0.5,-4.501) V15(1.501,-4.501) V16(2.499,-4.501) V17(3.5,-4.501) V18(4.501,-4.501) V19(5.499,-4.501) V20(6.5,-4.501) V21(7.501,-4.501) V22(8.499,-4.501) V23(9.5,-4.501) V24(10.5,-4.501) V25(11.501,-4.501) V26(12.499,-4.501) W1(-12.499,-5.499) W2(-11.501,-5.499) W3(-10.5,-5.499) W4(-9.5,-5.499) W5(-8.499,-5.499) W6(-7.501,-5.499) W7(-6.5,-5.499) W8(-5.499,-5.499) W9(-4.501,-5.499) W10(-3.5,-5.499) W11(-2.499,-5.499) W12(-1.501,-5.499) W13(-0.5,-5.499) W14(0.5,-5.499) W15(1.501,-5.499) W16(2.499,-5.499) W17(3.5,-5.499) W18(4.501,-5.499) W19(5.499,-5.499) W20(6.5,-5.499) W21(7.501,-5.499) W22(8.499,-5.499) W23(9.5,-5.499) W24(10.5,-5.499) W25(11.501,-5.499) W26(12.499,-5.499) Y1(-12.499,-6.5) Y2(-11.501,-6.5) Y3(-10.5,-6.5) Y4(-9.5,-6.5) Y5(-8.499,-6.5) Y6(-7.501,-6.5) Y7(-6.5,-6.5) Y8(-5.499,-6.5) Y9(-4.501,-6.5) Y10(-3.5,-6.5) Y11(-2.499,-6.5) Y12(-1.501,-6.5) Y13(-0.5,-6.5) Y14(0.5,-6.5) Y15(1.501,-6.5) Y16(2.499,-6.5) Y17(3.5,-6.5) Y18(4.501,-6.5) Y19(5.499,-6.5) Y20(6.5,-6.5) Y21(7.501,-6.5) Y22(8.499,-6.5) Y23(9.5,-6.5) Y24(10.5,-6.5) Y25(11.501,-6.5) Y26(12.499,-6.5)